# Altium PCB ReboostV2.1.PcbDoc (part 1 of 2)
Units mm, origin at the board's own origin, x right, y up, seen from the top; angles counter-clockwise.
Board outline 94.5 x 80.5 mm, 4 copper layers (Top Layer, Layer 1, Layer 2, Bottom Layer), stack 1.62 mm thick; 177 components, 113 nets, 589 pads, 278 vias.
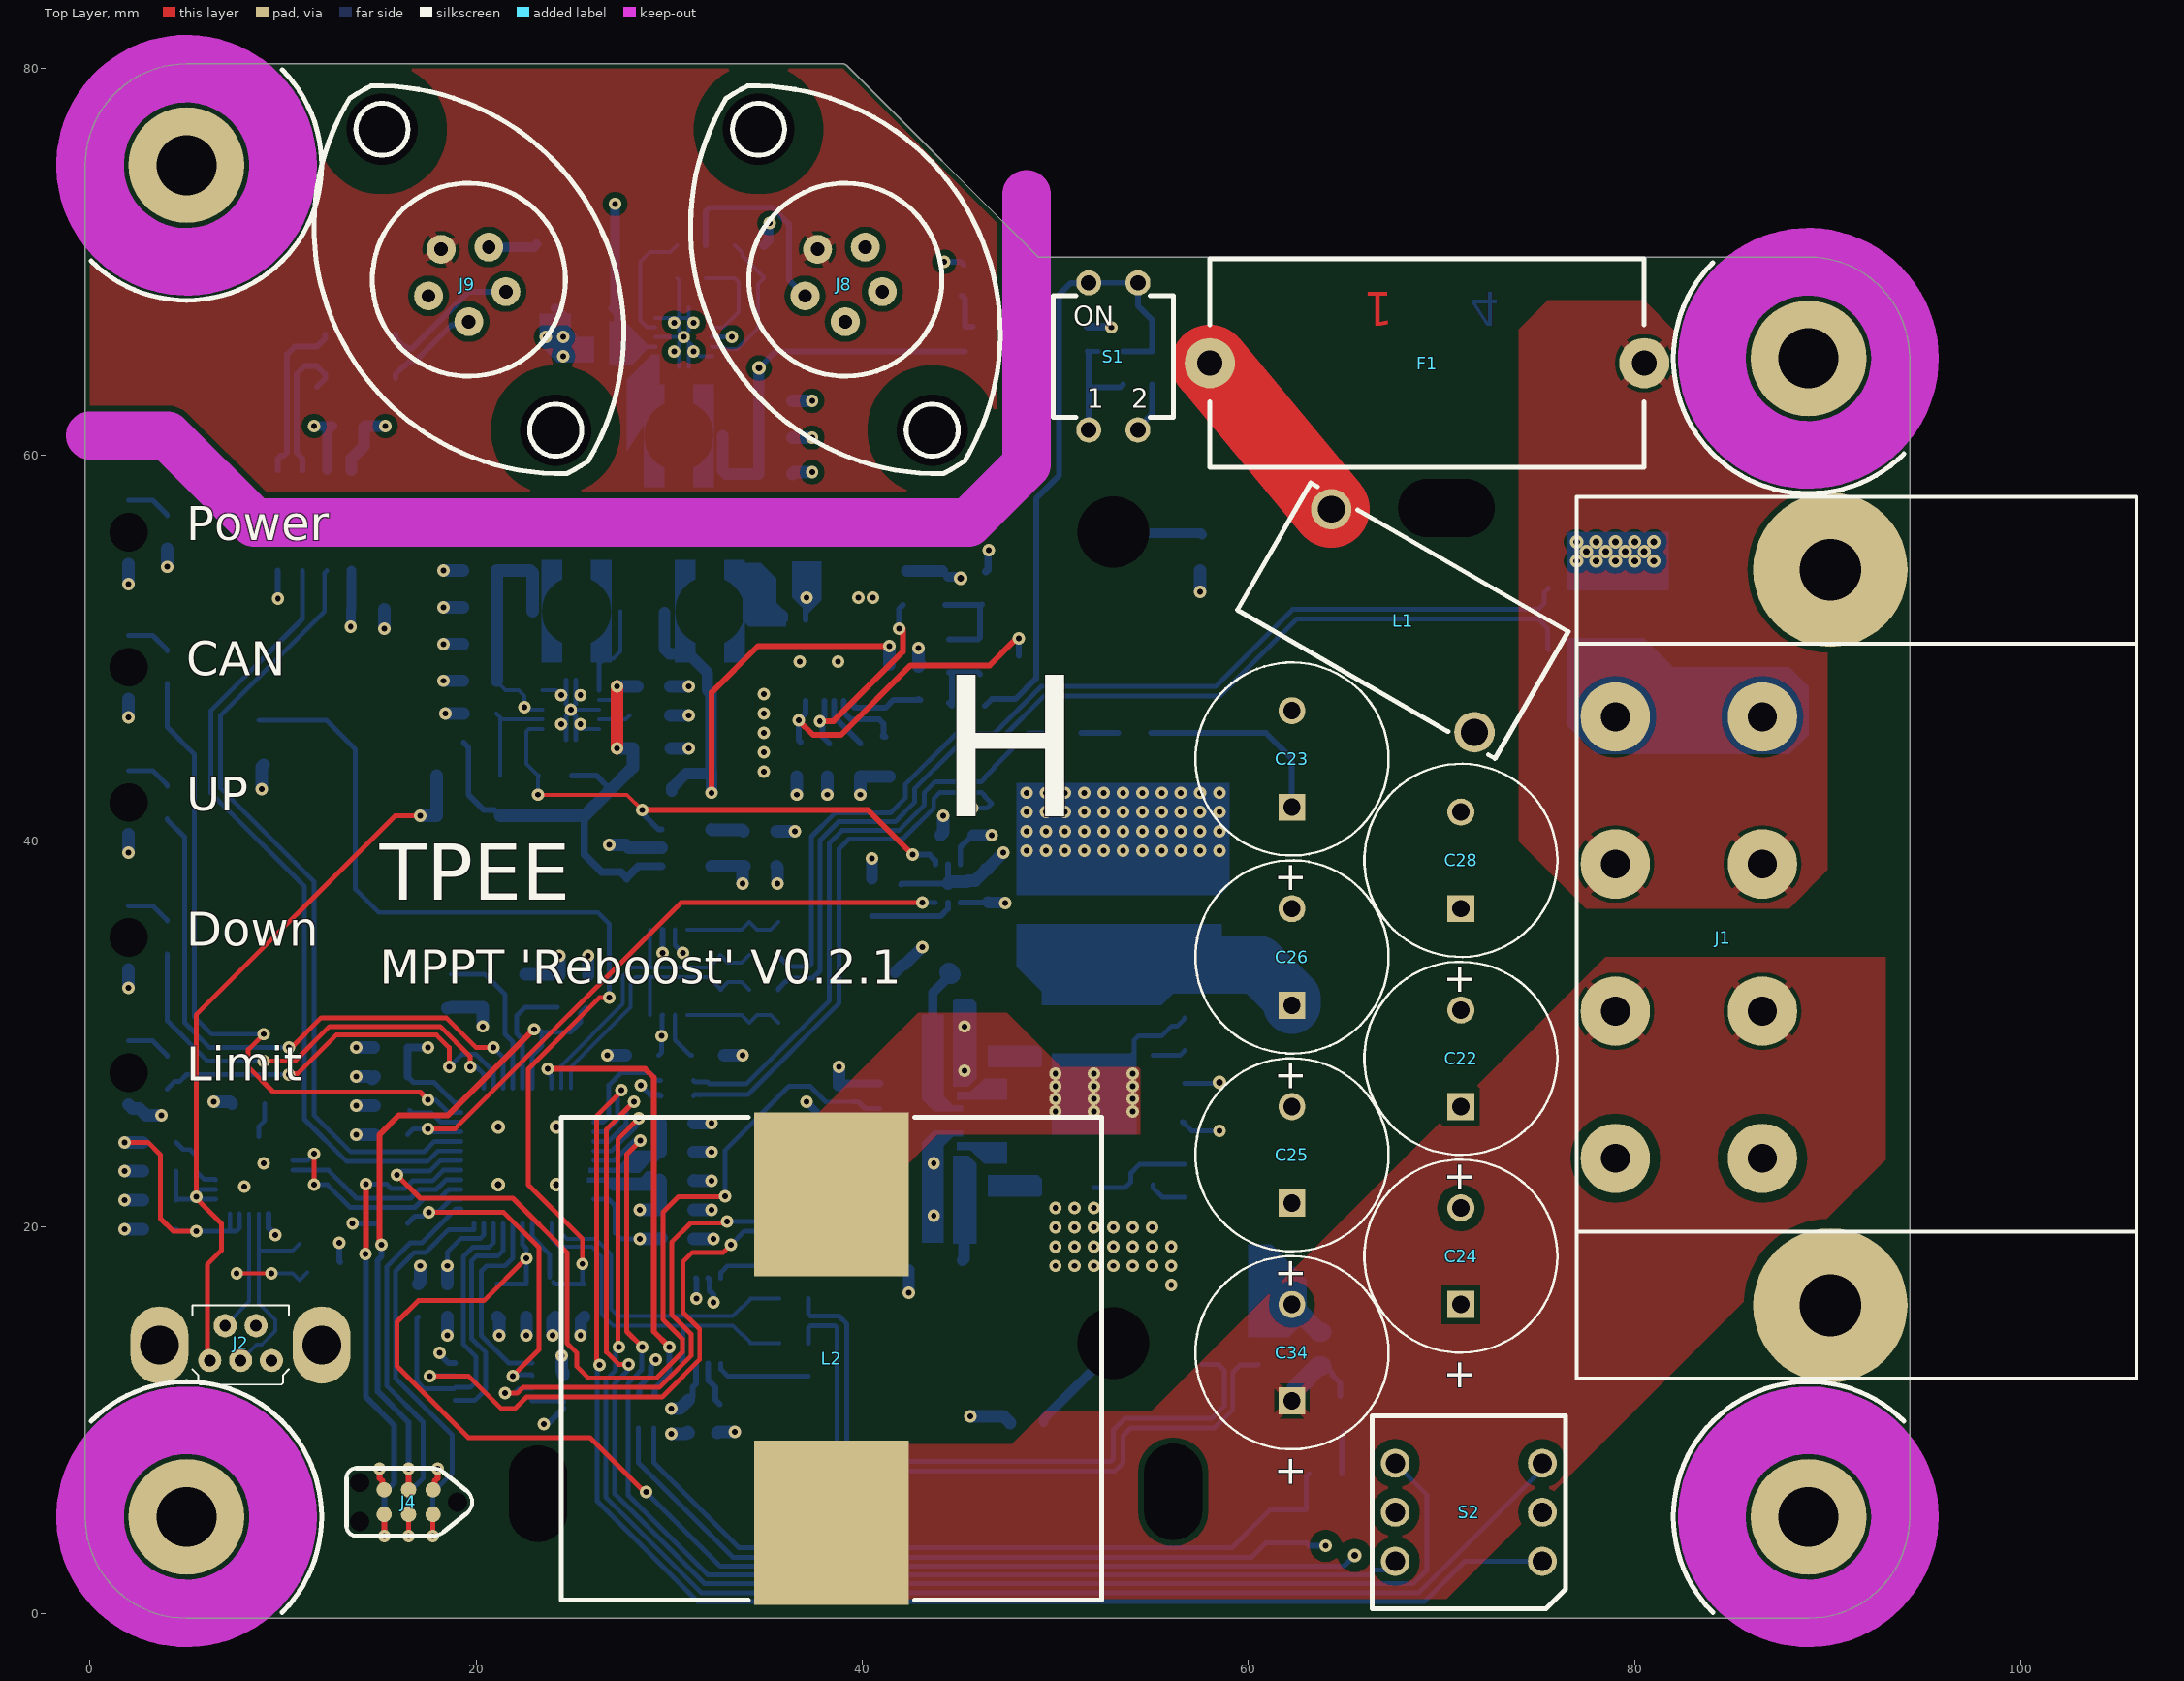
[diagram p0: Top Layer view]
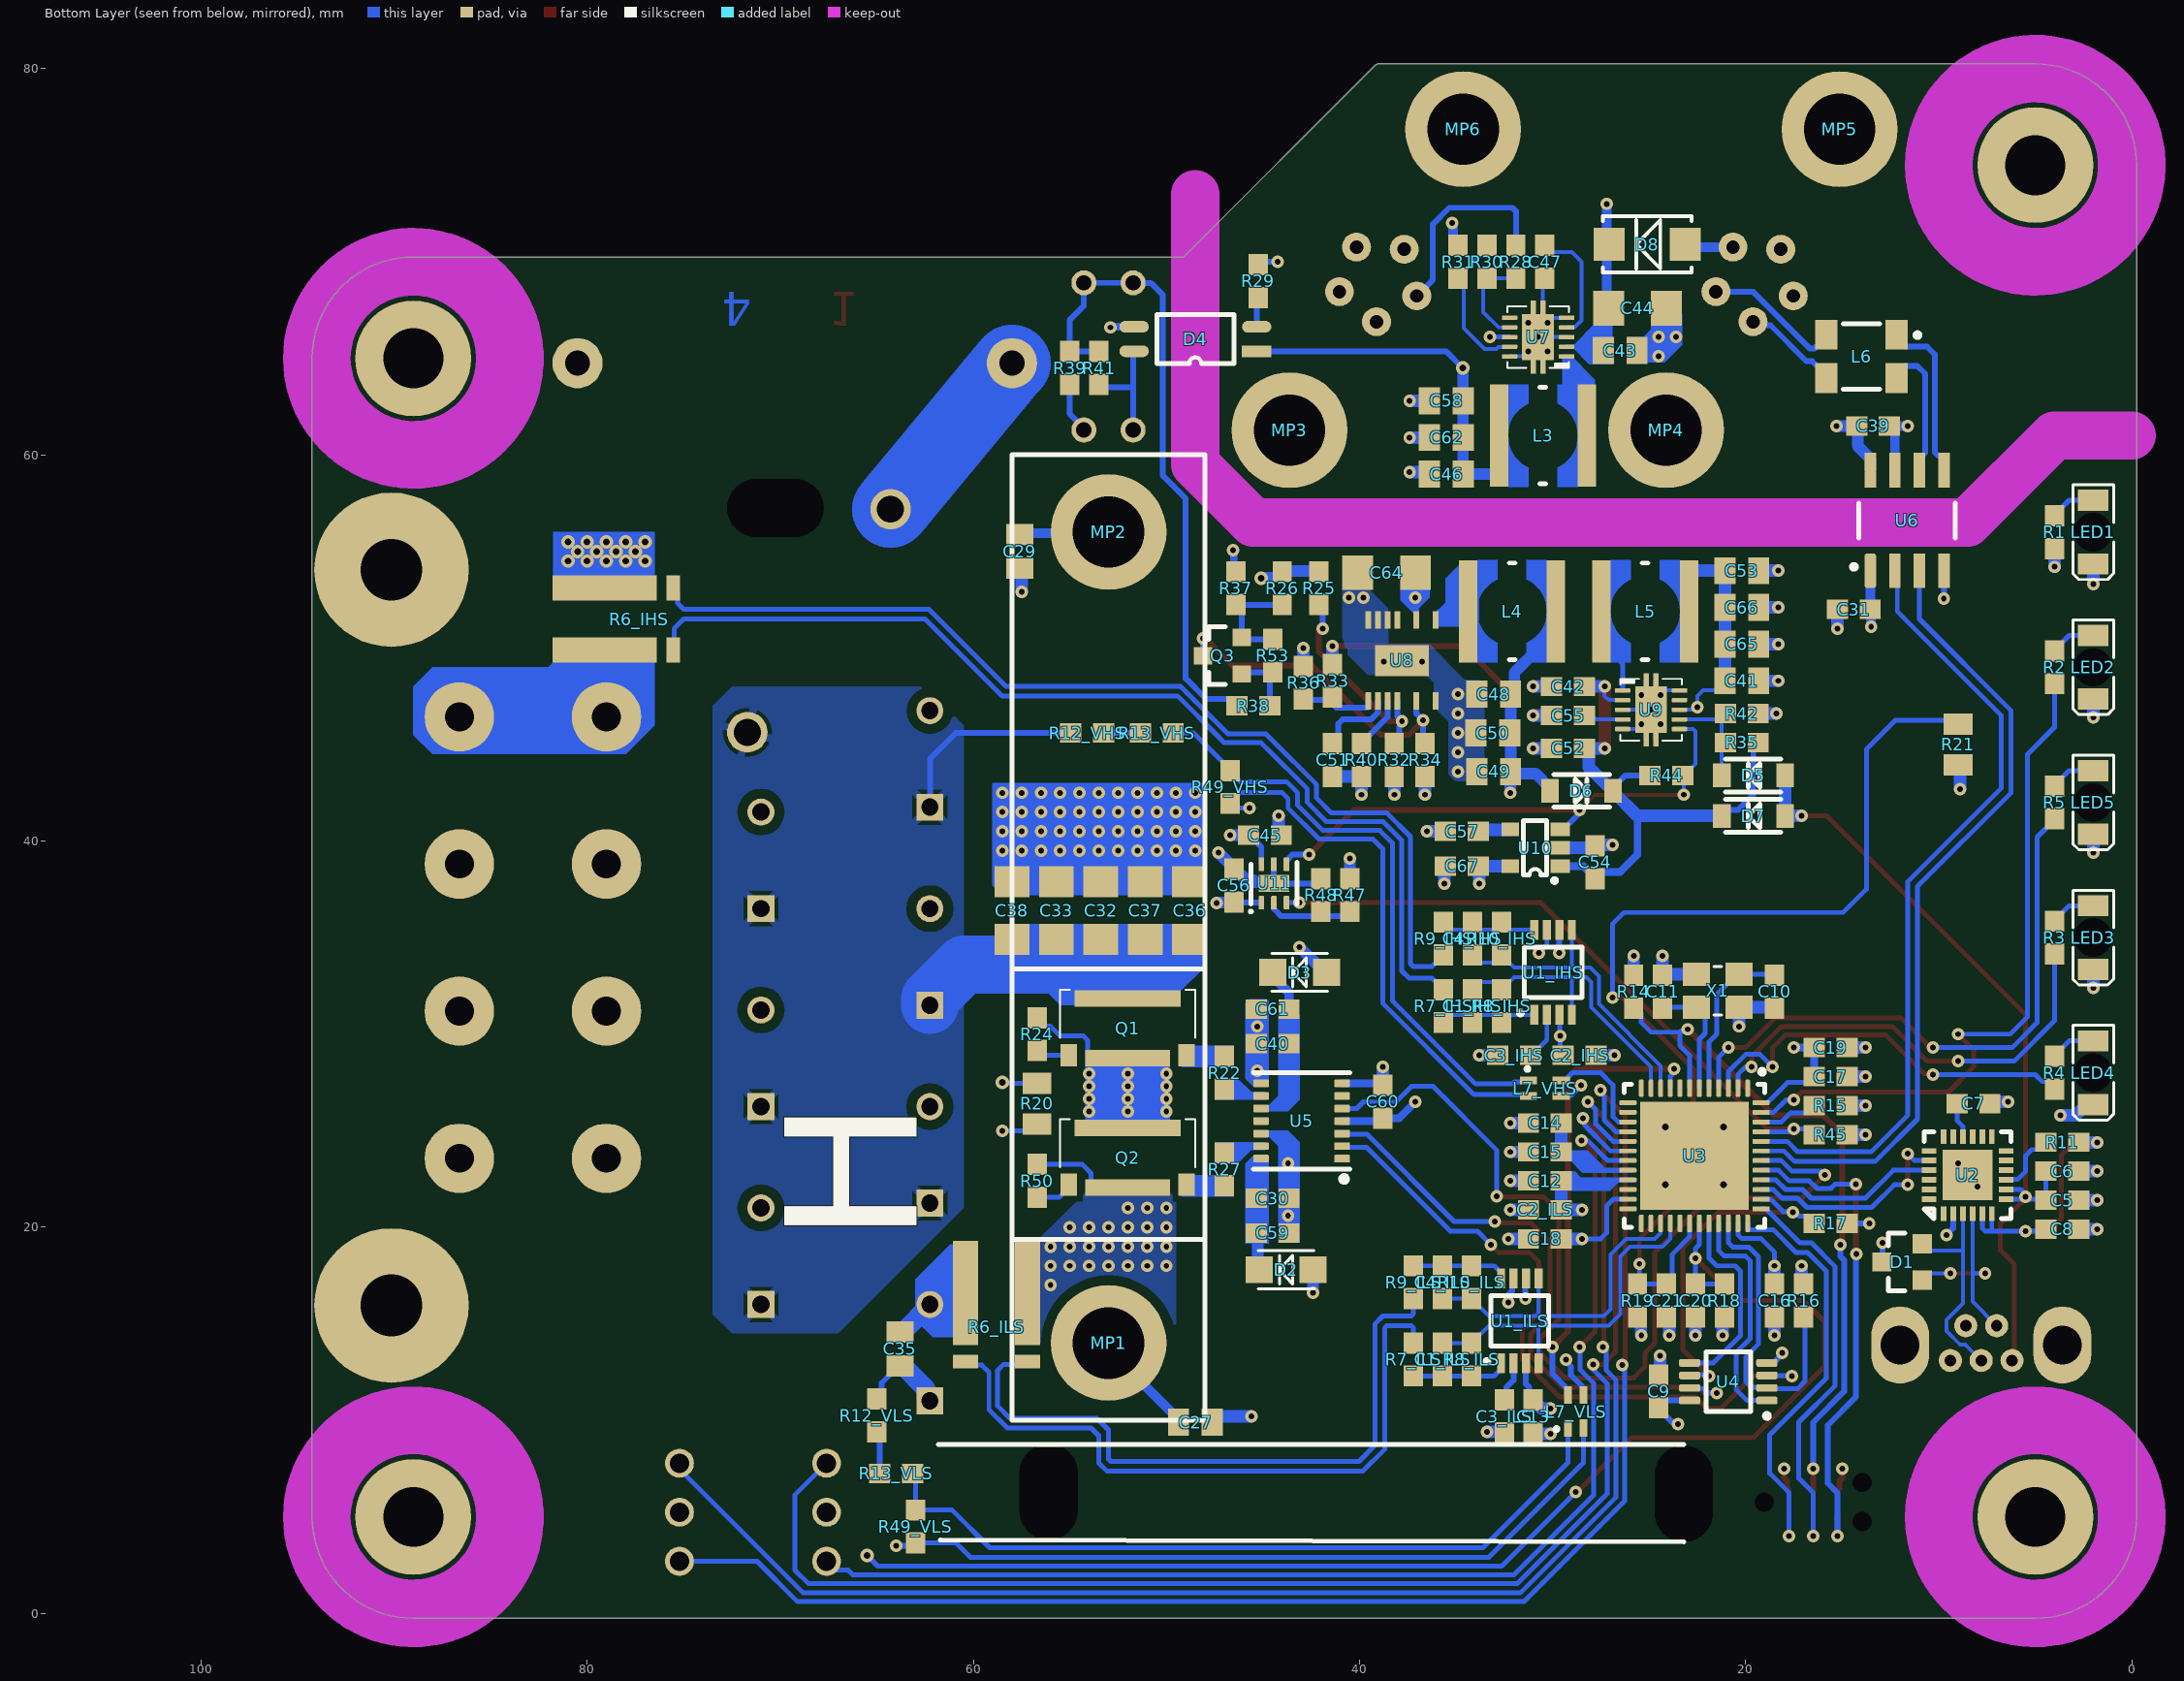
[diagram p1: Bottom Layer view, seen from below]
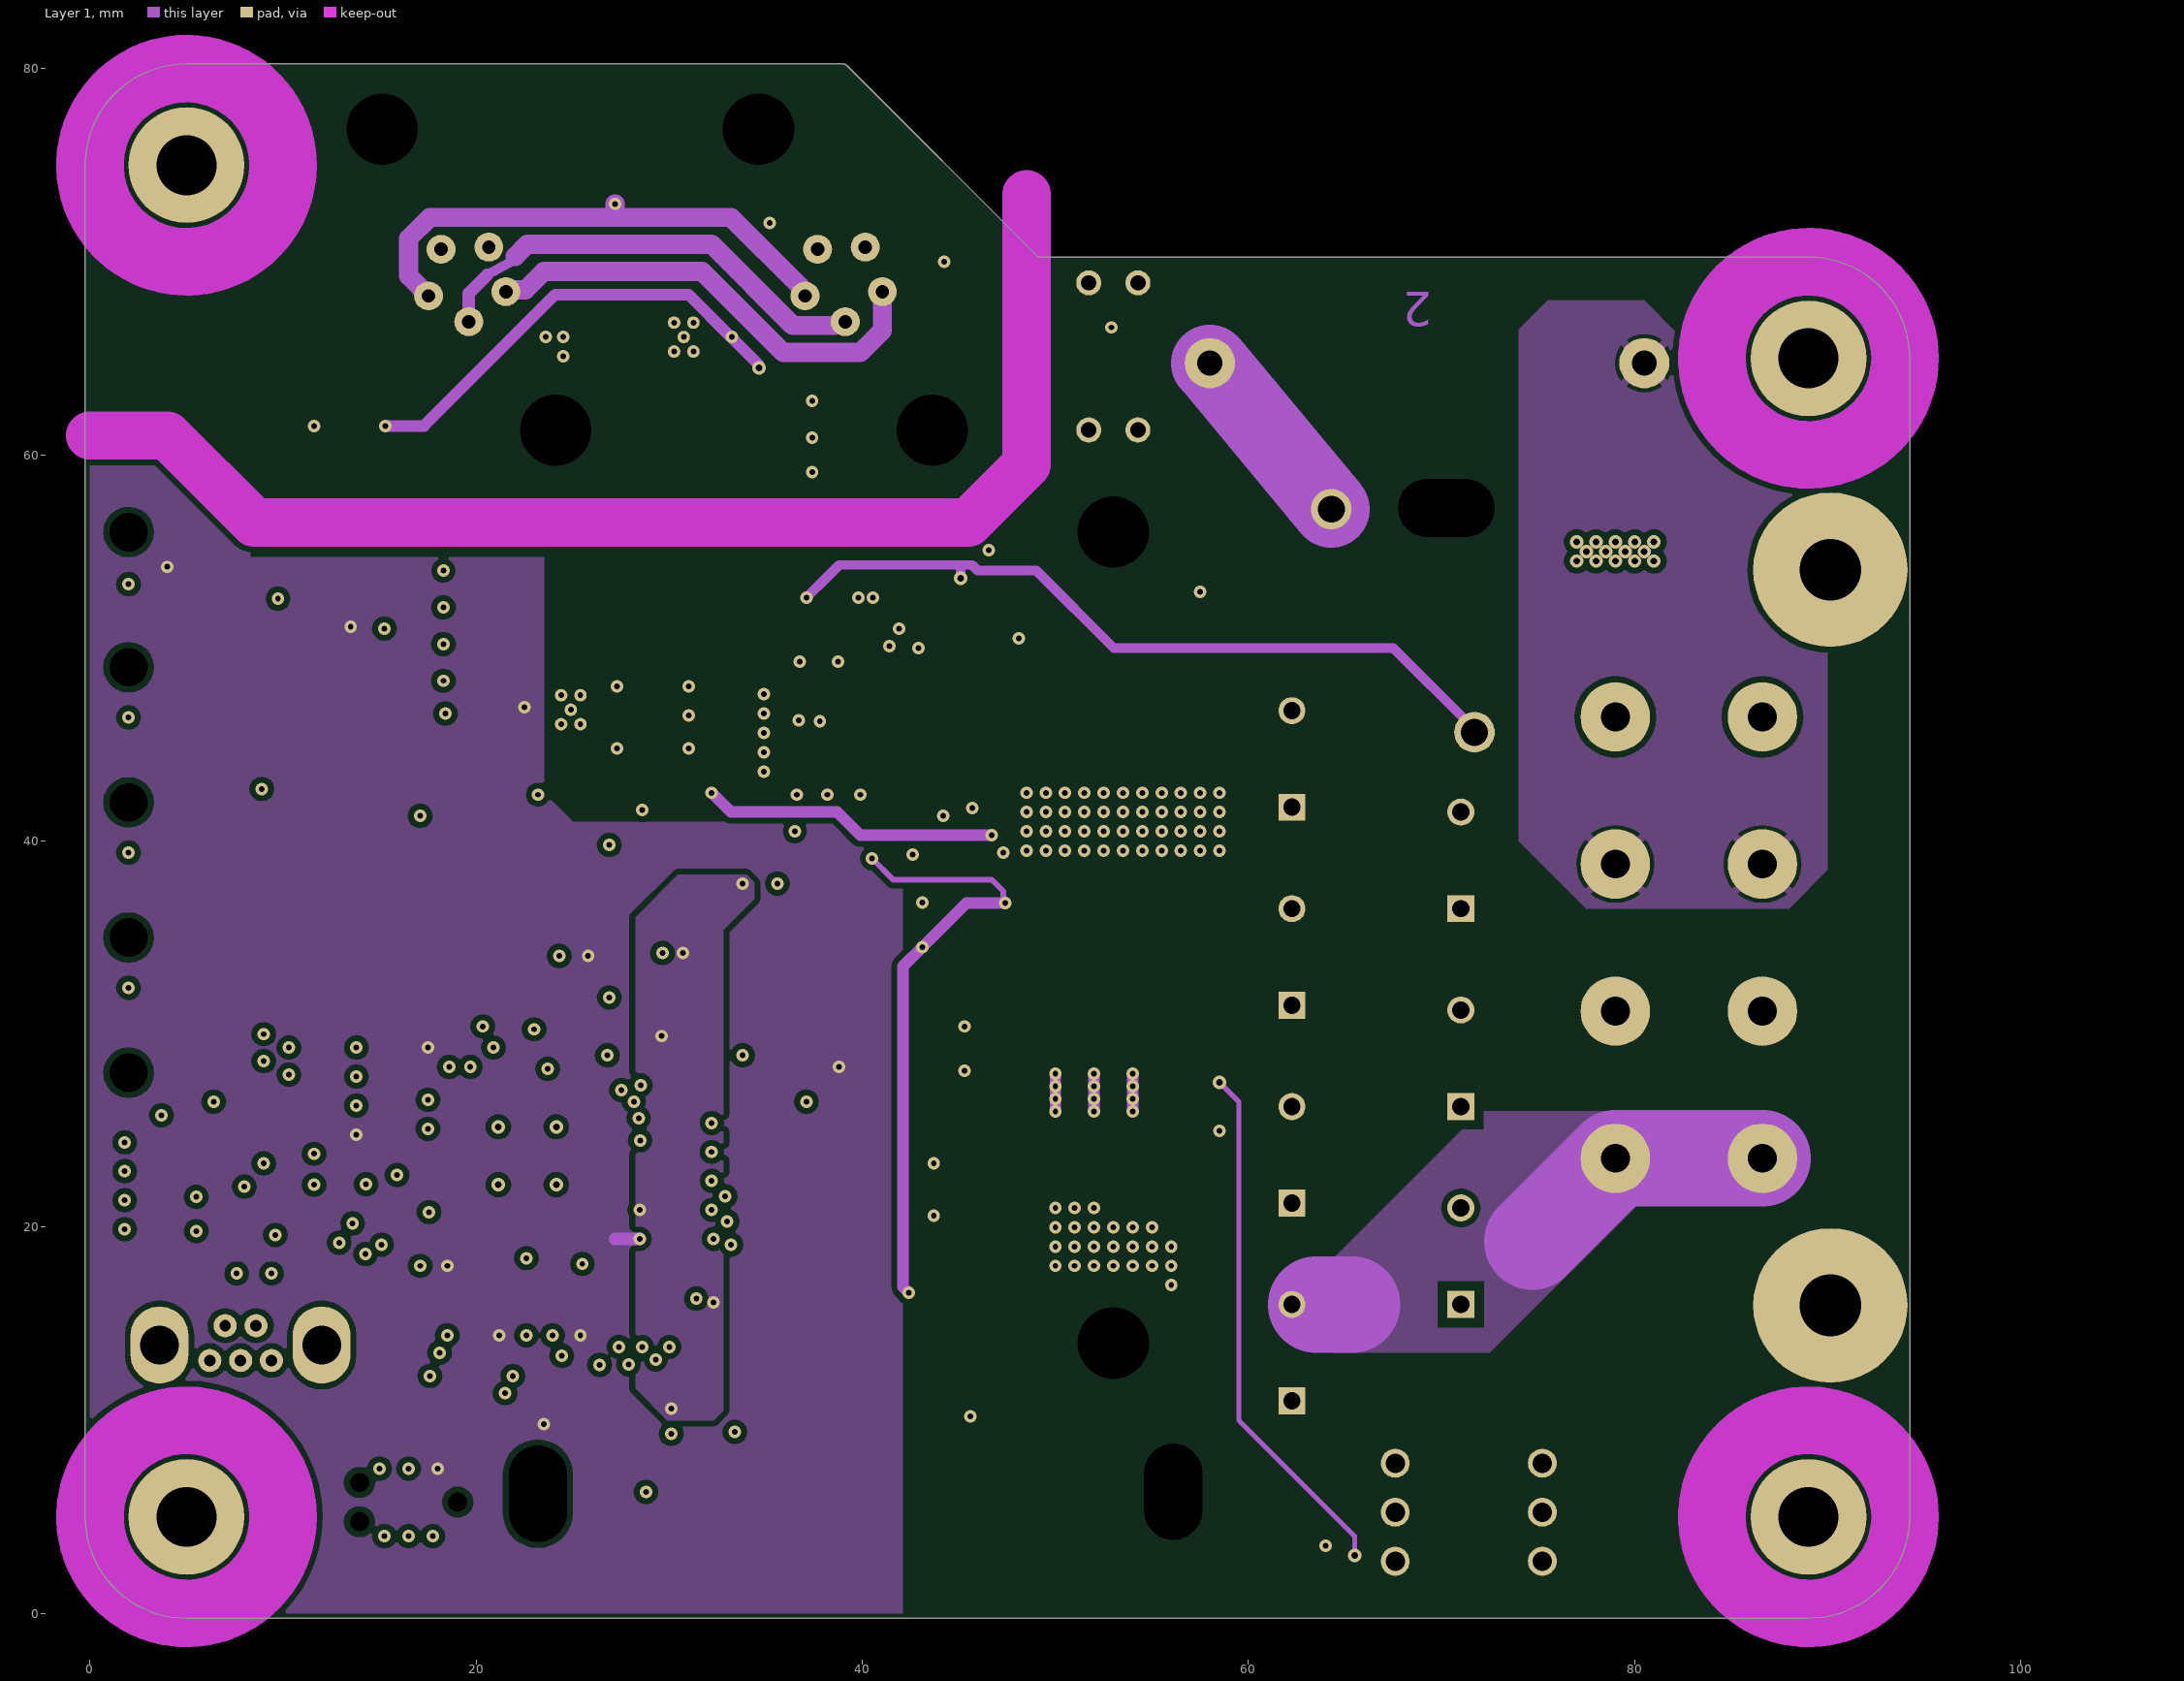
[diagram p2: Layer 1]
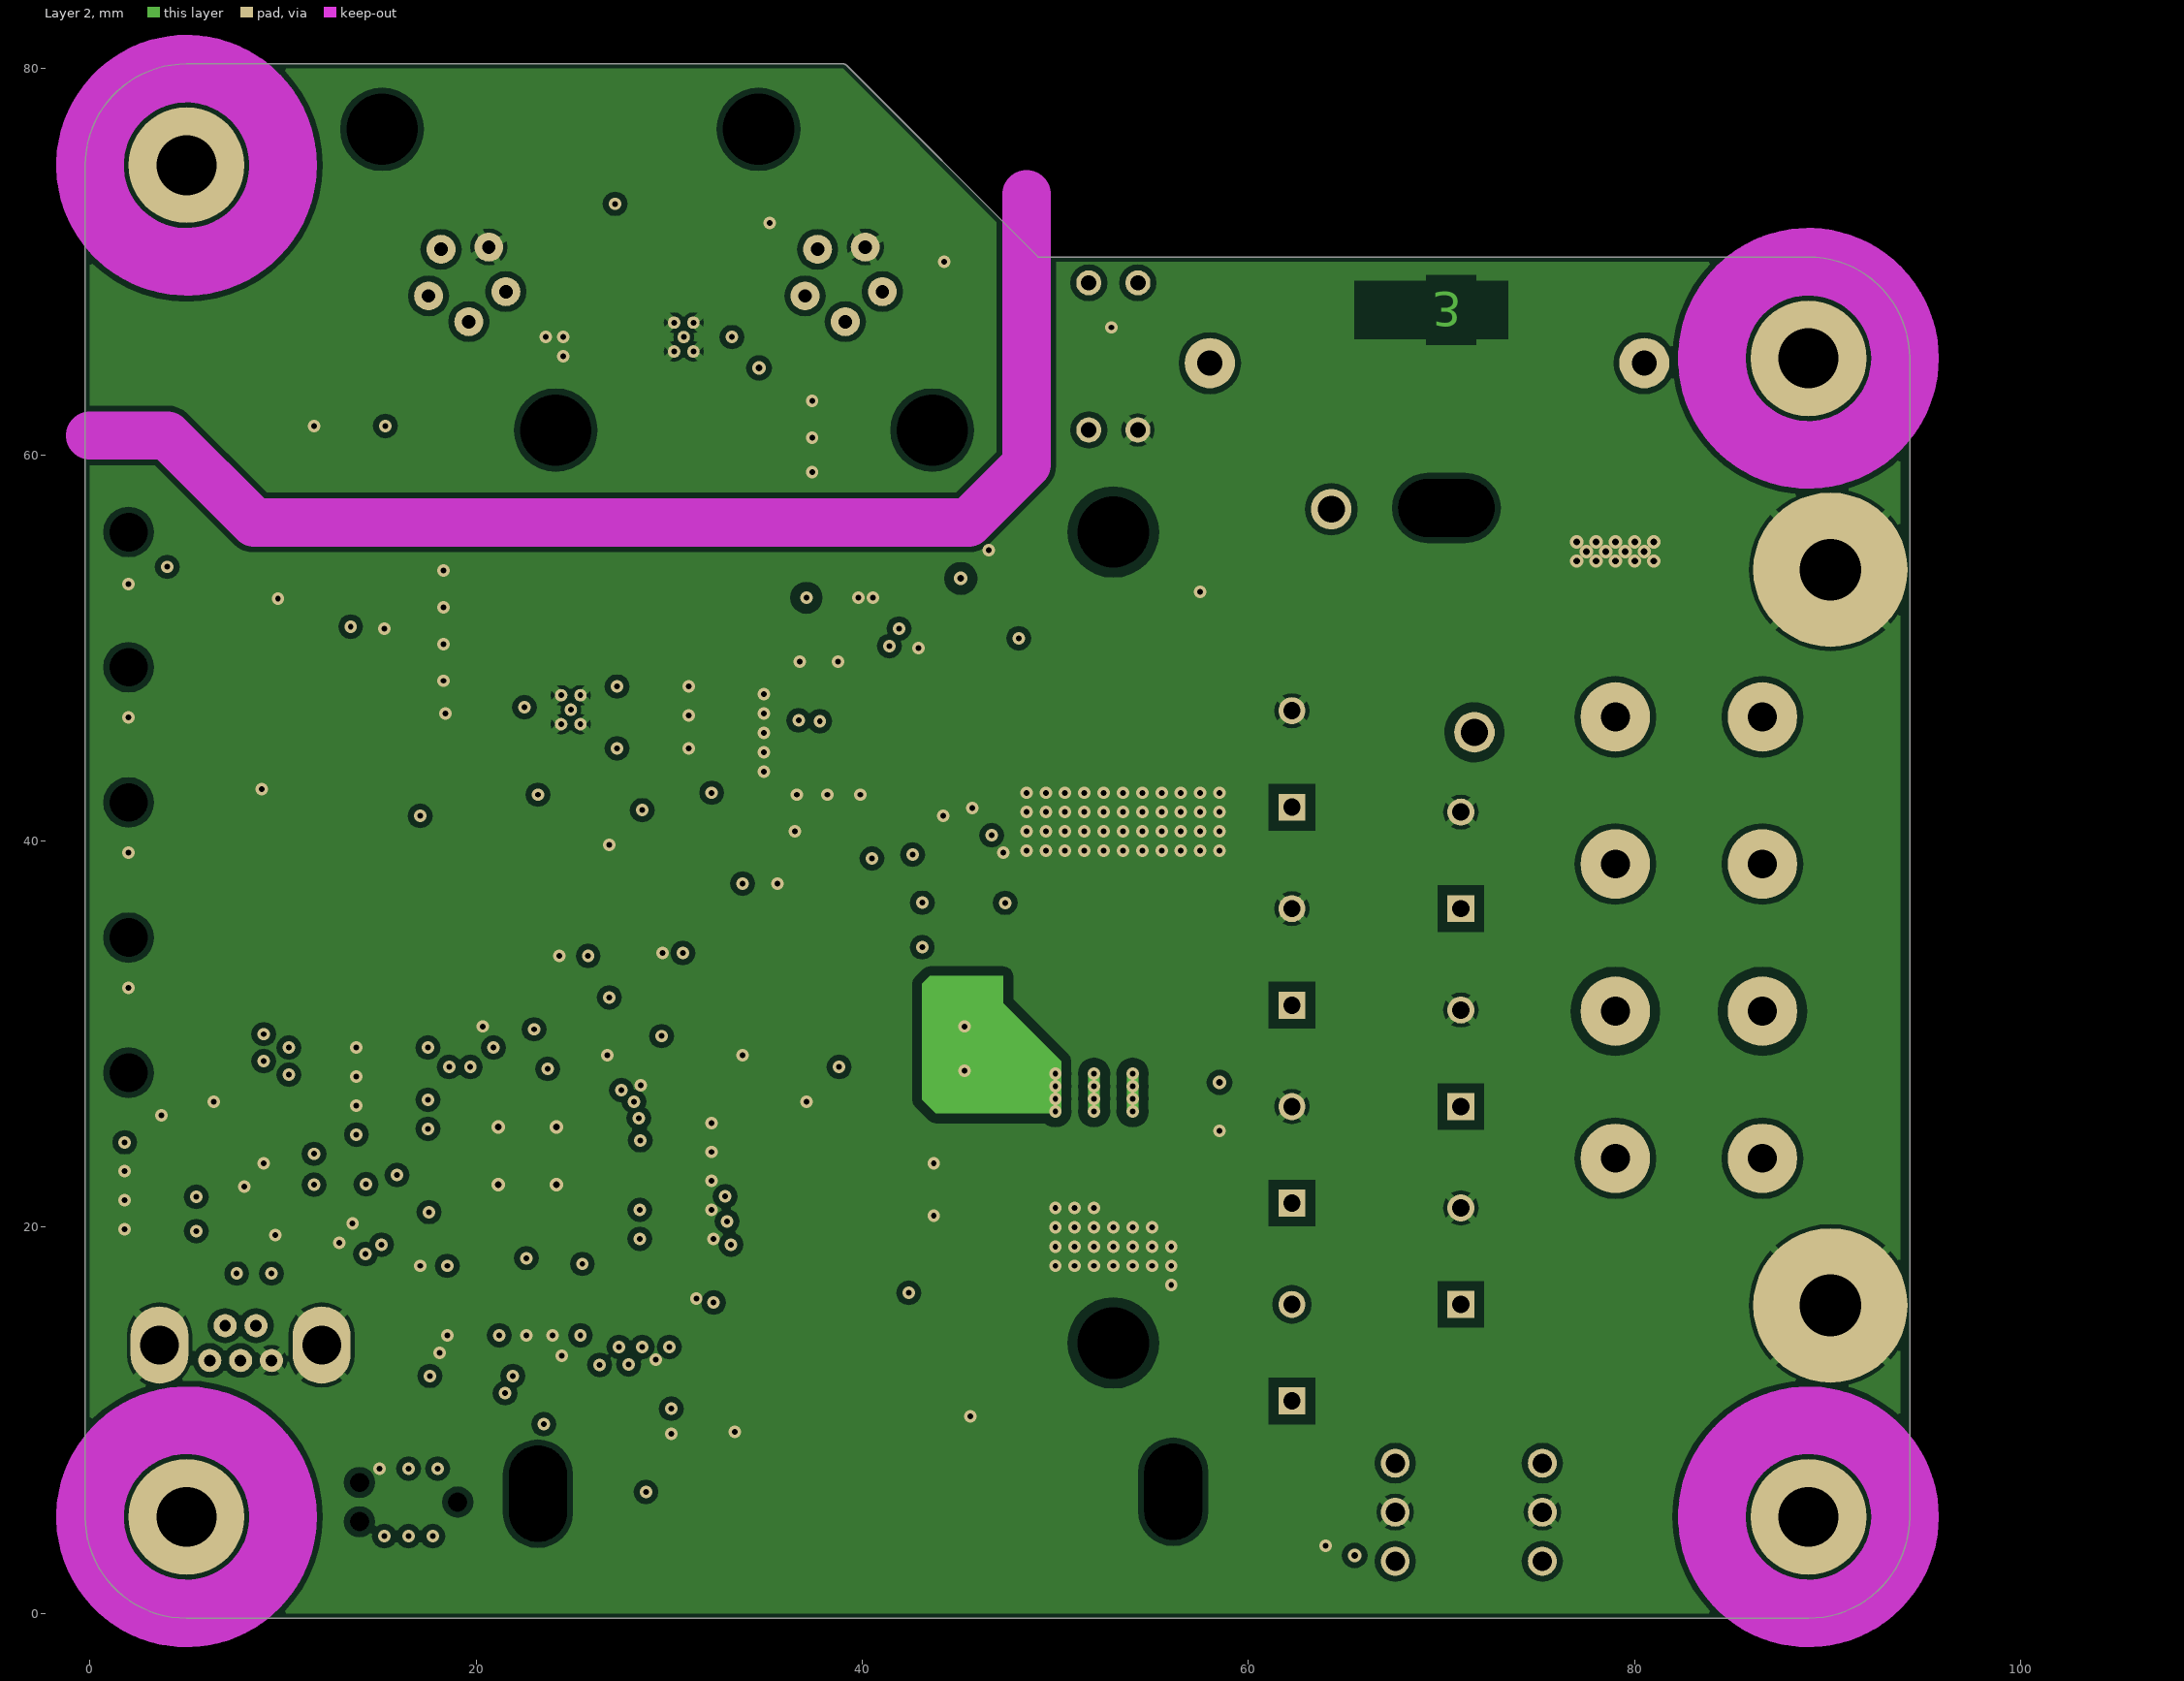
[diagram p3: Layer 2]

## Layer stack, top to bottom
Top Solder: solder mask 0.0102, Solder Resist, Dk 3.5
Top Layer: signal copper 0.035
Dielectric 2: prepreg 0.14, PP-006, Dk 4.1
Layer 1: signal copper 0.035
Dielectric 1: dielectric 1.2, FR-4, Dk 4.8
Layer 2: signal copper 0.035
Dielectric 3: prepreg 0.14, PP-006, Dk 4.1
Bottom Layer: signal copper 0.035
Bottom Solder: solder mask 0.0102, Solder Resist, Dk 3.5

## Board outline
5,-0.25 cw(c5,5) -0.25,5 -0.25,75 cw(c0,75) -0.25,75.003 cw(c5,75) 5,80.25 39,80.25 cw(c39,80) 39.177,80.177 cw(c39,80) 39.177,80.177 49.104,70.25 51.001,70.25 ccw(c51,70) 51,70.25 49.104,70.25 51.001,70.25 89,70.25 cw(c89,65) 94.25,65 94.25,5 cw(c89,5) 89,-0.25 5.002,-0.25

## Design rules (kind name [scope] priority, off if disabled: settings)
AssemblyTestPointUsage AssemblyTestPointUsage_5 [All] p1:
AssemblyTestpoint AssemblyTestpoint_5 [All] p1: testpointundercomponent=TRUE minsize=1.016 maxsize=2.54 preferedsize=1.524 minholesize=0 maxholesize=1.016 preferedholesize=0.813 testpointgrid=0.025 usegrid=TRUE gridtolerance=0 allowsidetop=TRUE allowsidebottom=TRUE
BoardOutlineClearance [not OnSilkscreen] p1: gap=0.25 ignorepadtopadclearanceinfootprint=FALSE except(0: Arc-SplitContinuation Track-SplitContinuation SMDPad-SplitContinuation THPad-SplitContinuation Via-SplitContinuation Fill-SplitContinuation Poly-SplitContinuation Region-SplitContinuation Text-SplitContinuation)
Clearance Via-PAd [IsVia vs IsPad AND NOT ( InComponent('U3') OR  InComponent('U2') OR  InComponent('U8') )] p1: gap=0.05 ignorepadtopadclearanceinfootprint=FALSE
Clearance "SMD Pad" [IsPad vs IsPad] p2: gap=0.5 ignorepadtopadclearanceinfootprint=TRUE
Clearance "HV clearance" [InNetClass('HV') vs not InNetClass('HV') and InAnyNet] p3: gap=0.5 ignorepadtopadclearanceinfootprint=TRUE
Clearance Polygon [InPolygon] p4: gap=0.3 ignorepadtopadclearanceinfootprint=FALSE
Clearance "Min Clearance" [All] p5: gap=0.2 ignorepadtopadclearanceinfootprint=TRUE
Clearance Clearance-xPP-xTP-xTT [All] p6: gap=0.15 ignorepadtopadclearanceinfootprint=FALSE except(0: Arc-Hole Track-Hole SMDPad-Hole THPad-Hole Via-Hole Fill-Hole Poly-Hole Region-Hole Text-Hole)
ComponentClearance ComponentClearance_qfn [InComponent('U2') or InComponent('U3') or InComponent('U5') or InComponent('U9') or InComponent('U7')] p1: gap=1 collisioncheckmode=3 verticalgap=0 showdistances=TRUE
ComponentClearance NoClearance [InComponent('C22')or InComponent('C23')or InComponent('C24')or InComponent('C25')or InComponent('C27')or InComponent('C28')or InComponent('C34')] p2: gap=0 collisioncheckmode=3 verticalgap=0 showdistances=TRUE
ComponentClearance [All] p3: gap=0 collisioncheckmode=3 verticalgap=0 showdistances=TRUE
Creepage CAN_ISO [InNetClass('All Nets')] p1: checkdistance=3
DiffPairsRouting DP [All] p1: maxlimit=0.4 minlimit=0.2 mostfreqgap=0.3 toplayer_minwidth=0.2 toplayer_maxwidth=0.3 toplayer_prefwidth=0.2 midlayer1_minwidth=0.2 midlayer1_maxwidth=0.3 midlayer1_prefwidth=0.2 midlayer2_minwidth=0.2 midlayer2_maxwidth=0.3 midlayer2_prefwidth=0.2 bottomlayer_minwidth=0.2 bottomlayer_maxwidth=0.3 bottomlayer_prefwidth=0.2 maxuncoupledlength=12.7
FabricationTestPointUsage FabricationTestPointUsage_5 [All] p1: valid=0 allowmultiple=FALSE
FabricationTestpoint FabricationTestpoint_5 [All] p1: side=3 testpointundercomponent=TRUE minsize=1.016 maxsize=2.54 preferedsize=1.524 minholesize=0 maxholesize=1.016 preferedholesize=0.813 testpointgrid=0.025 allowsidetop=TRUE allowsidebottom=TRUE usegrid=TRUE gridtolerance=0
FanoutControl Fanout_BGA_3 [IsBGA] p1: bgadir=Out bgaviamode=Centered fanoutstyle=Auto fanoutdirection=Alternating viagrid=0.025 // Fanout_BGA (Default Rule)
FanoutControl Fanout_LCC_3 [IsLCC] p2: bgadir=Out bgaviamode=Centered fanoutstyle=Auto fanoutdirection=Alternating viagrid=0.025 // Fanout_LCC (Default Rule)
FanoutControl Fanout_SOIC_3 [IsSOIC] p3: bgadir=Out bgaviamode=Centered fanoutstyle=Auto fanoutdirection=Alternating viagrid=0.025 // Fanout_SOIC (Default Rule)
FanoutControl Fanout_Small_3 [(CompPinCount < 5)] p4: bgadir=Out bgaviamode=Centered fanoutstyle=Auto fanoutdirection=OutThenIn viagrid=0.025 // Fanout_Small (Default Rule)
FanoutControl Fanout_Default_3 [All] p5: bgadir=Out bgaviamode=Centered fanoutstyle=Auto fanoutdirection=Alternating viagrid=0.025 // Fanout_Default (Default Rule)
Height Height_5 [All] p1: minheight=0 maxheight=150 prefheight=12.7
HoleSize HoleSize-PTH [IsPad and PadIsPlated and HoleSize > 0] p1: absolutevalues=TRUE maxlimit=3.2 minlimit=0.25 maxpercent=80.000 minpercent=20.000
HoleSize [All] p2: absolutevalues=TRUE maxlimit=10 minlimit=0.25 maxpercent=80.000 minpercent=20.000
HoleToHoleClearance [All] p1: gap=0.35 allowstackedmicrovias=TRUE
LayerPairs LayerPairs_5 [All] p1: enforce=TRUE
MatchedLengths [InDifferentialPairClass('All Differential Pairs')] p1: tolerance=3 checknetsindiffpair=TRUE checkdiffpairvsdiffpair=FALSE checkxsignals=FALSE checkothers=FALSE
MinimumAnnularRing "Minimum IAR  >0.45mm" [((ObjectKind = 'Pad') OR (ObjectKind = 'Via')) And (Layer = 'MultiLayer') And (HoleDiameter > AsMM(0.45))] p1: minimumring=0.175 // minimum inner annular ring for pads > 0.45mm finished hole size
MinimumAnnularRing "Minimum IAR <=0.45mm" [((ObjectKind = 'Pad') OR (ObjectKind = 'Via')) And (Layer = 'MultiLayer') And (HoleDiameter <= AsMM(0.45))] p2: minimumring=0.175 // minimum inner annular ring for pads <= 0.45mm finished hole size
MinimumAnnularRing [IsConnection] p3: minimumring=0.175
MinimumSolderMaskSliver [All] p1 off: minsoldermaskwidth=0.08
NetAntennae NetAntennae_5 [All] p1: netantennaetolerance=0
PasteMaskExpansion PasteMaskExpansion_5 [All] p1: expansion=0
PlaneClearance PlaneClearance_5 [All] p1: clearance=0.25
PlaneConnect PlaneConnect_5 [All] p1: planeconnectstyle=Direct reliefexpansion=0.3 reliefentries=4 reliefconductorwidth=0.6 reliefairgap=0.2
PolygonConnect PolygonConnect_Thru [IsThruPin] p1: connectstyle=Relief reliefconductorwidth=0.4 reliefentries=4 polygonreliefangle="45 Angle" airgapwidth=0.2
PolygonConnect [All] p2: connectstyle=Direct reliefconductorwidth=0.4 reliefentries=4 polygonreliefangle="90 Angle" airgapwidth=0.2
RoutingCorners RoutingCorners_5 [All] p1: cornerstyle=45-Degree minsetback=2.54 maxsetback=2.54
RoutingLayers RoutingLayers_5 [All] p1: top layer_v5=TRUE mid layer 1_v5=TRUE mid layer 2_v5=TRUE bottom layer_v5=TRUE